# Altium PCB Main control board.PcbDoc (part 1 of 2) (continued)
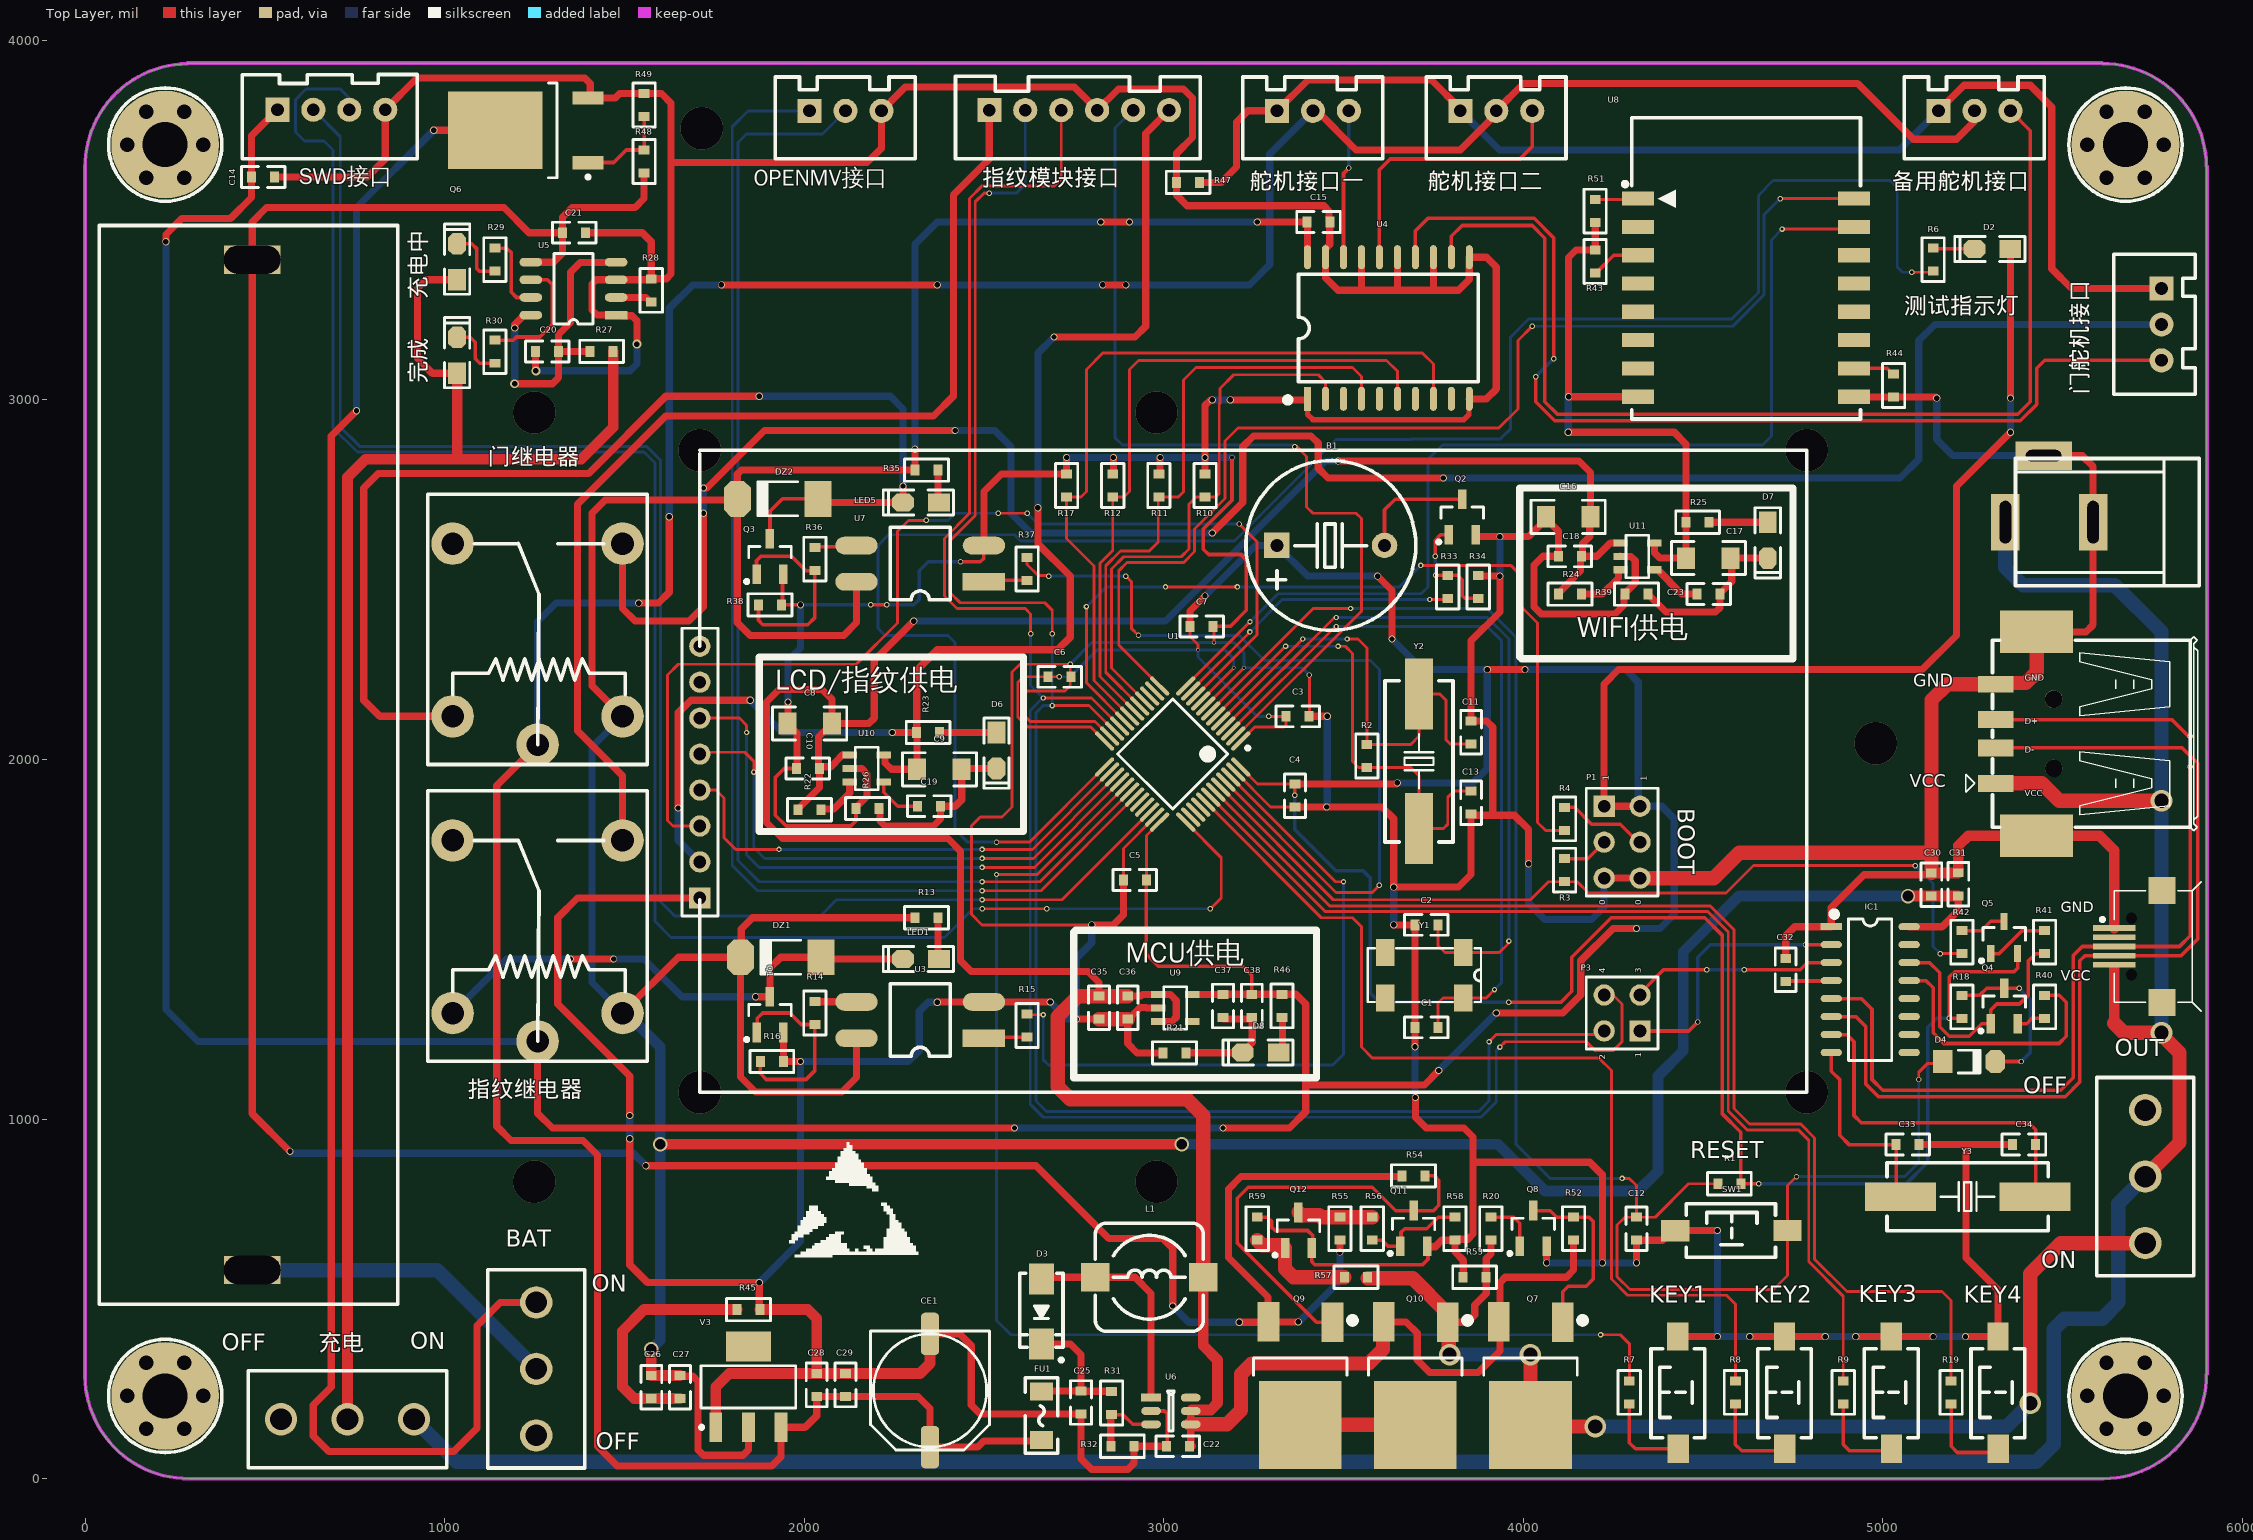
[diagram p0: Top Layer view]
## Components (designator, comment, footprint, x,y, rotation, side; value= is the part's Value field where it differs from the comment) (continued)
U11 "SPX3819-3.3V" SOT23-5 4270,2602.4 r270 top
USB-A1 "USB-A" USB-A/S_C 5475,2071.46 r90 top
V3 "AMS1117-5V" SOT223_L 1845,255 r90 top
Y1 "32.768K" MC-306 3725,1400 r180 top
Y2 "8MHz" "OSC HC-49SMD" 3710,1995 r90 top
Y3 "12MHz" "OSC HC-49SMD" 5236,784 r180 top
备用舵机接口 "HEADER 1X3" XH2.54-LI-3P 5255,3804 r0 top (schematic designator "H6   备用舵机接口")

## Footprints (in the part's own frame and the unit in brackets; to place one, negate y for a bottom-side part, rotate by r counter-clockwise, add the part's x,y. Pads: shape width x height; smd on the part's side, far side on the other; paste and mask are expansions set on the pad)
48P [mm]
  oval 1.8x0.3 smd: 1(-4.05,2.75) 2(-4.05,2.25) 3(-4.05,1.75) 4(-4.05,1.25) 5(-4.05,0.75) 6(-4.05,0.25) 7(-4.05,-0.25) 8(-4.05,-0.75) 9(-4.05,-1.25) 10(-4.05,-1.75) 11(-4.05,-2.25) 12(-4.05,-2.75) 25(4.05,-2.75) 26(4.05,-2.25) 27(4.05,-1.75) 28(4.05,-1.25) 29(4.05,-0.75) 30(4.05,-0.25) 31(4.05,0.25) 32(4.05,0.75) 33(4.05,1.25) 34(4.05,1.75) 35(4.05,2.25) 36(4.05,2.75)
  oval 0.3x1.8 smd: 13(-2.75,-4.05) 14(-2.25,-4.05) 15(-1.75,-4.05) 16(-1.25,-4.05) 17(-0.75,-4.05) 18(-0.25,-4.05) 19(0.25,-4.05) 20(0.75,-4.05) 21(1.25,-4.05) 22(1.75,-4.05) 23(2.25,-4.05) 24(2.75,-4.05) 37(2.75,4.05) 38(2.25,4.05) 39(1.75,4.05) 40(1.25,4.05) 41(0.75,4.05) 42(0.25,4.05) 43(-0.25,4.05) 44(-0.75,4.05) 45(-1.25,4.05) 46(-1.75,4.05) 47(-2.25,4.05) 48(-2.75,4.05)
  silkscreen extent -4.17,-2.75 2.75,3.57, body extent -3.5,-3.5 3.5,3.5, height 1.6
0603C [mil] "1.6mmx0.8mm（蒜米工坊）"
  rect 25x30 smd: 1(-32,0) 2(32,0)
  silkscreen extent -61,-29 60,29, body extent -32,-16 31,16, height 18
0603R [mil]
  rect 25x30 smd: 1(-32,0) 2(32,0)
  silkscreen extent -61,-31 61,31, body extent -32,-16 31,16, height 18
1206C [mil] "3.2mmx1.6mm（蒜米工坊）"
  rect 50x60 smd: 1(-62,0) 2(62,0)
  silkscreen extent -103,-46 103,46, body extent -64,-32 62,31, height 24
18650 [mm]
  rect 4x2 hole 2 slot 4 at 0 deg: 1(10.795,73.787) 2(10.795,2.413)
  rect 8x4 smd far side: 1(10.795,73.787) 2(10.795,2.413)
  silkscreen extent 0,0 21.08,76.2
B628 [mil]
  rect 55x22 smd: 1(0,0)
  oval 55x22 smd: 2(0,-37) 3(0,-74) 4(110,-74) 5(110,-37) 6(110,0)
  silkscreen extent 46,-92 64,18
"BEEP 7.6x12x7.5" [mm] "6.5*12*7.5mm(脚距,直径,高度)"
  rect 1.8x1.8 hole 0.9: 1(-0.011,-3.811)
  round 1.8 hole 0.9: 2(-0.011,3.789)
  silkscreen extent -6.01,-6 5.99,6, body extent -6.01,-5.93 5.99,6.07, height 7.55
CAP8 [mm] "直径8mm（蒜米工坊）"
  rrect50% 3x1.3 smd: 1(-4,0) 2(4,0)
  silkscreen extent -4.2,-4.2 4.2,4.2, body extent -4.52,-4.22 4.48,4.08, height 10.5
CDRH74 [mm] "7.3*7.3*4.5mm（长宽高）"
  rect 2x2 smd: 1(-3.81,0) 2(3.81,0)
  silkscreen extent -3.81,-3.81 3.81,3.81, body extent -3.65,-3.65 3.65,3.65, height 4.5
DC-005 [mm] "5.5*2.1mm，DC30V,2.5A"
  rect 2x4 hole 0.8 slot 3 at 90 deg: 1(-6.2,0) 2(0,0)
  rect 4x2 hole 0.8 slot 2.5 at 0 deg: 3(-3.5,4.7)
  silkscreen extent -5.48,-4.5 7.5,4.5, body extent -6.55,-4.5 7.5,4.8, height 11.2
ESP12 [mm] "ESP-12 Wi-Fi Mod"
  rect 2.25x1 smd: 1(0.375,0) 2(0.375,-2) 3(0.375,-4) 4(0.375,-6) 5(0.375,-8) 6(0.375,-10) 7(0.375,-12) 8(0.375,-14) 9(15.625,-14) 10(15.625,-12) 11(15.625,-10) 12(15.625,-8) 13(15.625,-6) 14(15.625,-4) 15(15.625,-2) 16(15.625,0)
  silkscreen extent -0.7,-15.57 16.08,5.7, body extent 0,-15.49 16,8.51, height 2.75
"FU 1206" [mil] "贴片保险丝"
  rect 50x65 smd: 1(-67.5,0) 2(67.5,0)
  silkscreen extent -105,-45 105,45, body extent -63,-32 63,32, height 34
HDR1X8 [mm] "Connector; Header; 8 Position"
  rect 1.5x1.5 hole 0.9: 1(0,0)
  round 1.5 hole 0.9: 2(2.54,0) 3(5.08,0) 4(7.62,0) 5(10.16,0) 6(12.7,0) 7(15.24,0) 8(17.78,0)
  silkscreen extent -1.27,-1.27 19.05,1.27
HDR2X2 [mm] "Connector; Header; 2x2 Position"
  rect 1.5x1.5 hole 0.9: 1(0,0)
  round 1.5 hole 0.9: 2(0,2.54) 3(2.54,0) 4(2.54,2.54)
  silkscreen extent -1.27,-1.27 3.81,3.81
HDR2X3 [mm] "Connector; Header; 3x2 Position"
  rect 1.5x1.5 hole 0.9: 1(0,0)
  round 1.5 hole 0.9: 2(0,2.54) 3(2.54,0) 4(2.54,2.54) 5(5.08,0) 6(5.08,2.54)
  silkscreen extent -1.27,-1.27 6.35,3.81
"LED 0805" [mil] "LED 贴片发光二极管 0805"
  rect 60x50 smd: 1(-50,0)
  oct 60x50 smd: 2(50,0)
  silkscreen extent -90,-35 105,35, body extent -39,-25 39,25, height 32
"LED 0805G" [mil] "绿色0805LED"
  rect 60x50 smd: 1(-50,0)
  oct 60x50 smd: 2(50,0)
  silkscreen extent -90,-35 105,35, body extent -39,-25 39,25, height 32
M3x4+6_N [mil] "M3铜柱，长：4mm，螺纹长：6mm"
  round 40 hole 40: 1(-106,0) 1(-53,-91.8) 1(-53,91.8) 1(53,-91.8) 1(53,91.8) 1(106,0)
  round 300 hole 125: 1(0,0)
  silkscreen extent -157,-157 157,157, body extent -106,-93 106,93, height 159
MC-306 [mm]
  rect 1.3x1.9 smd: 1(-2.75,-1.6) 2(2.75,-1.6) 3(2.75,1.6) 4(-2.75,1.6)
  silkscreen extent -4,-1.9 4,1.9
"MELF (LL41)" [mm] "2.4*5.3mm(直径，脚距）"
  rect 1.9x2.54 smd: 1(-2.85,0)
  oct 1.9x2.54 smd: 2(2.85,0)
  silkscreen extent -1.4,-1.2 1.4,1.2, body extent -2.65,-1.2 2.65,1.2, height 2.4
Micro_USB [mm]
  rect 0.4x3 smd: 1(1.3,1.679) 2(0.65,1.679) 3(0,1.679) 4(-0.65,1.679) 5(-1.3,1.679)
  round 0 hole 0.8 unplated: MH1(2,0.471) MH2(-2,0.471)
  rect 1.9x1.9 smd: ""(-3.95,-1.679) ""(3.95,-1.679)
  silkscreen extent -4.57,-4.46 4.57,2.64
"MINI_MELF (LL34)" [mm] "1.5*3.4mm(直径，脚距）"
  rect 1.37x1.62 smd: 1(-1.855,0)
  oct 1.37x1.62 smd: 2(1.855,0)
  silkscreen extent -0.76,-0.8 0.78,0.8, body extent -1.7,-0.75 1.7,0.75, height 1.5
"OSC HC-49SMD" [mm]
  rect 5x2 smd: 1(-4.75,0) 2(4.75,0)
  silkscreen extent -5.7,-2.4 5.7,2.4, body extent -6.5,-2.32 6.5,2.33, height 4.63
PC817C [mm] "贴片光耦"
  rect 3x1.25 smd: 1(0,0)
  oval 3x1.25 smd: 2(0,-2.56) 3(9,-2.56) 4(9,0)
  silkscreen extent 2.39,-3.84 6.61,1.28, body extent -0.65,-3.56 9.65,1.02, height 3.45
SMA [mm] "4.5x2.6*2.2mm（长宽高，不包括引脚）"
  rect 2.2x1.75 smd: 1(-2.3,0) 2(2.3,0)
  silkscreen extent -2.7,-1.52 3.56,1.52, body extent -2.53,-1.3 2.58,1.3, height 2.15
SOP16_L [mm] "10.3*6.2*1.8mm（长宽高）"
  rect 1.5x0.5 smd: 1(-2.752,4.445)
  oval 1.5x0.5 smd: 2(-2.752,3.175) 3(-2.752,1.905) 4(-2.752,0.635) 5(-2.752,-0.635) 6(-2.752,-1.905) 7(-2.752,-3.175) 8(-2.752,-4.445) 9(2.752,-4.445) 10(2.752,-3.175) 11(2.752,-1.905) 12(2.752,-0.635) 13(2.752,0.635) 14(2.752,1.905) 15(2.752,3.175) 16(2.752,4.445)
  silkscreen extent -2.69,-5 1.52,5.49, body extent -3,-5 3,5, height 1.9
SOP20_L [mm] "13*10.6*2.6（长宽高）"
  rect 1.7x0.5 smd: 1(-5,5.715)
  oval 1.7x0.5 smd: 2(-5,4.445) 3(-5,3.175) 4(-5,1.905) 5(-5,0.635) 6(-5,-0.635) 7(-5,-1.905) 8(-5,-3.175) 9(-5,-4.445) 10(-5,-5.715) 11(5,-5.715) 12(5,-4.445) 13(5,-3.175) 14(5,-1.905) 15(5,-0.635) 16(5,0.635) 17(5,1.905) 18(5,3.175) 19(5,4.445) 20(5,5.715)
  silkscreen extent -5.23,-6.35 3.81,7.27, body extent -5.15,-6.35 5.16,6.35, height 2.7
SOT23-3M [mm] "3x1.3x1mm(长宽高)"
  rect 0.6x1.4 smd: 1(-0.95,0) 2(0.95,0) 3(0,2.514)
  silkscreen extent -1.78,-0.63 1.5,1.97, body extent -1.5,0.07 1.5,2.47, height 1.05
SOT23-3N [mm] "3x1.3x1mm(长宽高)"
  rect 0.5x1.2 smd: 1(-0.95,-1.143) 2(0.95,-1.143) 3(0,1.143)
  silkscreen extent -1.72,-1.78 1.5,0.7, body extent -1.5,-1.2 1.5,1.2, height 1.05
SOT23-5 [mm]
  rect 0.5x1 smd: 1(0,0) 2(0.95,0) 3(1.9,0) 4(1.9,2.4) 5(0,2.4)
  silkscreen extent -0.55,0.4 2.45,2, body extent -0.5,-0.2 2.4,2.6, height 1.09
SOT223_L [mm] "SOT223, 4-Leads, Body 6.5x3.5mm, Pitch 2.3mm, Lead Span 7mm, IPC High Density"
  rect 2.1x0.9 smd: 1(-2.85,2.3) 2(-2.85,0) 3(-2.85,-2.3)
  rect 2.1x3.2 smd: 4(2.85,0)
  silkscreen extent -2.97,-3.35 1.5,3.42, body extent -1.85,-3.35 1.85,3.35, height 1.7
SRD-C_B [mm] "单刀双投"
  round 3 hole 1.6: 1(0,0) 2(0,-12) 3(-2,-6) 4(12.2,0) 5(12.2,-12)
  silkscreen extent -3.4,-13.75 15.7,1.75, body extent -3.4,-13.75 15.7,1.75, height 15.6
SS-12D10 [mil] "脚距3mm"
  round 90 hole 60: 1(-185.04,0) 2(0,0) 3(185.04,0)
  silkscreen extent -276,-135 276,135, body extent -276,-122 276,122, height 380
TC4056A [mil]
  rect 63x24 smd: 1(0,0)
  oval 63x24 smd: 2(0,-49) 3(0,-98) 4(0,-147) 5(237,-147) 6(237,-98) 7(237,-49) 8(237,0)
  silkscreen extent 64,-172 173,25
TO252 [mil] "252晶体管"
  rect 60x110 smd: 1(-89.55,-119.77) 3(88.45,-120.77)
  rect 230x245 smd: 2(0,165.35)
  silkscreen extent -153,-133 130,28, body extent -128,-120 128,251, height 91
TO-252AA [mm] "D-PAK, 4-Leads, Body 6.1x6.5mm, Pitch 2.28mm, Lead Span 9.8mm, IPC Low Density"
  rect 6.7x5.5 smd: 1(3.275,0)
  rect 2.2x0.95 smd: 2(-3.275,2.28) 3(-3.275,-2.28)
  silkscreen extent -3.4,-3.35 -0.47,3.43, body extent -3.77,-3.27 6.16,3.27, height 2.39
"TSW SMD-3*6*2.5" [mm] "3*6*2.5mm"
  rect 2x1.5 smd: 1(-3.996,-0.02) 2(3.937,0)
  silkscreen extent -3.21,-1.9 3.09,1.9, body extent -4,-1.88 4,1.62, height 2.59
USB-A/S_C [mm] "A型贴片母头，"
  rect 1.2x2.5 smd: 1(-3.5,4.1) 2(-1,4.1) 3(1,4.1) 4(3.5,4.1)
  rect 3x5.15 smd: 4(-7.2,1.2) 4(7.2,1.2)
  round 1.25 hole 1.25 unplated: 7(-2.45,0) 8(2.45,0)
  silkscreen extent -6.85,-10.17 6.86,6.19, body extent -7.75,-9.9 7.75,4.8, height 7.4
XH2.54-LI-3P [mm] "接插件，3P"
  rect 1.7x1.7 hole 0.9: 1(-2.54,0)
  round 1.7 hole 0.9: 2(0,0) 3(2.54,0)
  silkscreen extent -4.95,-3.38 4.93,2.39, body extent -5.04,-3.3 5.04,2.4, height 7.03
XH2.54-LI-4P [mm] "接插件，4P"
  rect 1.7x1.7 hole 0.9: 1(-3.81,0)
  round 1.7 hole 0.9: 2(-1.27,0) 3(1.27,0) 4(3.81,0)
  silkscreen extent -6.3,-3.45 6.07,2.49, body extent -6.31,-3.3 6.31,2.4, height 7.03
XH2.54-LI-6P [mm] "接插件，6P"
  rect 1.7x1.7 hole 0.9: 1(-6.35,0)
  round 1.7 hole 0.9: 2(-3.81,0) 3(-1.27,0) 4(1.27,0) 5(3.81,0) 6(6.35,0)
  silkscreen extent -8.74,-3.43 8.56,2.39, body extent -8.85,-3.3 8.85,2.4, height 7.03

## Part data
B1: library part BELL
C1 C2 C3 C4 C5 C6 C7 C11 C12 C13 C14 C15 C26 C27 C28 C29 C30 C31 C32 C33 C34 C35 C36 C37 C38: library part Cap, "Capacitor", LatestRevisionDate=17-Jul-2002, LatestRevisionNote="Re-released for DXP Platform.", Published=8-Jun-2000, Publisher="Altium Limited"
C8 C9 C16 C17: library part CAP-ELEC
C10 C18 C19 C23: library part CAP-0805
C20 C21 C22 C25: library part C, "贴片电容"
CE1: library part CE, "直插电解电容"
D3: library part SS14, "肖特基二极管"
D4: "高速开关二极管"
DZ1 DZ2: "5.1V/1W稳压管"
FU1: library part FU, "5mm 保险丝"
IC1: "串口转USB"
JK1 JK2: "5V一组转换"
L1: library part L, "功率电感"
LED1 LED5: library part LED-5MM, "直插5mm LED"
LED3 LED4: library part LED
OPENMV接口: "Header, 3-Pin", LatestRevisionDate=17-Jul-2002, LatestRevisionNote="Re-released for DXP Platform.", Publisher="Altium Limited"
P1: "Header, 3-Pin, Dual row", LatestRevisionDate=17-Jul-2002, LatestRevisionNote="Re-released for DXP Platform.", Publisher="Altium Limited"
P3: "Header, 2-Pin, Dual row", LatestRevisionDate=17-Jul-2002, LatestRevisionNote="Re-released for DXP Platform.", Publisher="Altium Limited"
P5: "Header, 8-Pin", LatestRevisionDate=17-Jul-2002, LatestRevisionNote="Re-released for DXP Platform.", Publisher="Altium Limited"
Q1 Q2 Q3 Q4 Q8 Q11 Q12: library part 8050-DIP, "高频放大-NPN型", 学习资源=https://shop46, 属性="40V 1.5A 1W"
Q5: library part 8550-SMD, "高频放大-PNP型", 属性="40V 1.5A 1W"
Q6: "N-Channel MOSFET"
Q7 Q9 Q10: "P沟道场效应管"
R1 R2 R3 R4 R6 R18 R20 R21 R33 R34 R40 R41 R42 R43 R44 R45 R47 R51 R52 R53 R54 R55 R56 R57 R58 R59: library part Res2, "Resistor", LatestRevisionDate=17-Jul-2002, LatestRevisionNote="Re-released for DXP Platform.", Published=8-Jun-2000, Publisher="Altium Limited"
R7 R8 R9 R10 R11 R12 R13 R14 R16 R17 R19 R35 R36 R38: library part R-S, "色环电阻"
R15 R27 R28 R29 R30 R31 R32 R37 R48 R49: library part R, "贴片电阻"
R22 R23 R24 R25 R46: library part RES
R26 R39: library part RES0805
SP1 SP2 SP3 SP4: library part 铜柱加头大焊盘, "铜柱"
SW1 SW3 SW4 SW5 SW6: "SWITCH"
SW2: library part SS12-F23
SW7 SW8: "拨动开关"
SWD接口: library part "Header 4", "Header, 4-Pin", LatestRevisionDate=17-Jul-2002, LatestRevisionNote="Re-released for DXP Platform.", Publisher="Altium Limited"
U2: library part usb-STM
U3 U7: library part PC817C, "贴片光耦"
U4: "三态输出的八路缓冲器和线路驱动器 TSSOP-20"
U5: "充电IC"
U6: "升压IC"
U9: "LDO"
U10 U11: library part SPX3819
V3: library part AMS1117, "三端稳压芯片"
Y1 Y2 Y3: library part XTAL, "Crystal Oscillator", LatestRevisionDate=17-Jul-2002, LatestRevisionNote="Re-released for DXP Platform.", Published=8-Jun-2000, Publisher="Altium Limited"

## Via types
v1: diameter 20, hole 15, Top Layer to Bottom Layer, 88 vias
v2: diameter 15, hole 10, Top Layer to Bottom Layer, 48 vias
v3: diameter 15, hole 8, Top Layer to Bottom Layer, 35 vias
v4: diameter 118.11, hole 118.11, Top Layer to Bottom Layer, 10 vias
v5: diameter 60, hole 40, Top Layer to Bottom Layer, 6 vias
v6: diameter 40, hole 30, Top Layer to Bottom Layer, 4 vias
v7: diameter 10, hole 8, Top Layer to Bottom Layer, 4 vias
v8: diameter 25, hole 15, Top Layer to Bottom Layer, 3 vias

## Nets (pads, with @x,y where several pads share a name; then routed paths per layer and width w, separated by ;. In a path a pad name is that pad's centre, name@x,y a point inside that pad or via, vN(x,y) a via of type N, cw(c..) or ccw(c..) an arc to the next point about the centre after c; other vN are vias at no path point)
5V_GND: C26.1 C27.1 R45.1 | length 670.8
  Top Layer w30: C27.1@1655,223 C26.1@1575,223 1527.57,223 1495,255.57 1495,410 1555,470 R45.1@1813,470
BAT_GND: BAT1.2 SW7.2 | length 903.9
  Bottom Layer w40: BAT1.2@465,580 980.04,580 SW7.2@1255,305.04
BAT_VCC: BAT1.1 C21.2 Q9.3 R48.1 R54.1 R55.1 U5.5 | length 8348.6
  Top Layer w20: v1(570,910) 465,1015 BAT1.1@465,3390 465,3495 505,3535 1165,3535 1235,3465 C21.2@1328,3465 ; U5.5@1240,3383 1303,3383 1328,3408 C21.2@1328,3465 ; R48.1@1555,3631 1555,3560 1530,3535 1355,3535 1328,3508 C21.2@1328,3465 ; v1(1560,870) 2645,870 2847.5,667.5 2997.5,667.5 3025,640 v1(3025,480) ; v1(3210,435) 3280.78,435 Q9.3@3290,444.22 ; v1(3374.23,435.77) Q9.3@3291.55,435.77 3295,439.22 Q9.3@3290,444.22 ; v1(3490,630) R55.1@3490,663 ; R54.1@3663,841.85 3663,839.35 3660.5,836.85 3658,836.85 3654.85,840 3215,840 3180,805 3180,615 3290,505 Q9.3@3290,444.22
  Bottom Layer w20: v1(570,910) 575,905 1525,905 v1(1560,870) ; v1(3025,480) 3070,435 v1(3210,435) ; v1(3374.23,435.77) 3375.77,435.77 3490,550 v1(3490,630)
BEEP/PA1: R33.2 U1.11 | length 821.9
  Top Layer w8: U1.11@3075.11,2190.38 v3(3239.73,2355) v3@3240,2355 ; v3(3740,2445) 3787,2445 R33.2@3790,2448
  Bottom Layer w8: v3(3239.73,2355) 3329.73,2445 v3(3740,2445)
BOOT0: R3.1 R42.1 U1.44 | length 2460.5
  Top Layer w8: U1.44@3158.63,1923.13 3471.76,1610 4020,1610 4070,1660 R3.1@4115,1660 4150,1660 4181.53,1628.47 4563.47,1628.47 4640,1705 v2(5090,1705) ; v2(5160,1460) R42.1@5220,1460
  Bottom Layer w8: v2(5090,1705) 5140,1655 5140,1480 v2(5160,1460)
BOOT1: R4.2 U1.20 | length 2420
  Top Layer w8: v3(2785,2425) 2785,2213.24 U1.20@2891.37,2106.87 ; v3(3005,2480) v3(3205,2480) ; v3(3715,2540) 3965,2540 3990,2515 3990,2430 4040,2380 4040,1825 4062,1803 R4.2@4115,1803
  Bottom Layer w8: v3(2785,2425) 2840,2480 v3(3005,2480) ; v3(3205,2480) 3655,2480 v3(3715,2540)
"CH340 D+": IC1.5 U2.3 USB-A1.3 | length 2710.9
  Top Layer w10: IC1.5@4856.65,1335 4940,1335 4970,1305 4970,1110 5000,1080 5495,1080 5530,1115 5530,1455 5555,1480 U2.3@5643.9,1480 5825,1480 5855,1510 v2(5855,1980) ; USB-A1.3@5313.58,2110.83 5804.17,2110.83 5850,2065 v2(5855,2065)
  Bottom Layer w10: v2(5855,1980) v2(5855,2065)
"CH340 D-": IC1.6 U2.4 USB-A1.2 | length 2652.5
  Top Layer w10: IC1.6@4856.65,1285 4925,1285 4952,1258 4952,1098 4988,1062 5507,1062 5548,1103 5548,1440 5562.41,1454.41 U2.4@5643.9,1454.41 5829.41,1454.41 5875.5,1500.5 5875.5,1989.5 5832.91,2032.09 USB-A1.2@5313.58,2032.09
FINGERPOWER: H2.1 JK1.5 | length 2993.5
  Top Layer w20: JK1.5@1495,1775 1495,1955 1370,2080 1370,2710 1615,2955 2360,2955 2415,3010 2415,3570 2515,3670 H2.1@2515,3806
GND: C1.1 C2.1 C3.1 C4.1 C5.1 C6.1 C7.1 C8.2 C10.1 C11.1 C12.1 C13.1 C14.1 C15.1 C16.2 C18.1 C20.2 C21.1 C22.1 C25.1 C28.1 C29.1 C30.2 C31.2 C32.1 C33.1 C34.1 C35.1 C36.1 CE1.2 D5.2 D5.3 H2.4 IC1.1 OPENMV接口.3 P1.5 P1.6 P5.1 Q1.2 Q2.2 Q3.2 Q6.3 Q8.2 Q11.2 Q12.2 R10.2 R11.2 R12.2 R16.2 R17.2 R21.1 R26.1 R28.1 R32.1 R34.1 R38.2 R39.1 R44.2 R45.2 R47.1 R49.2 R53.1 R58.1 R59.2 SW1.1 SW3.2 SW4.2 SW5.2 SW6.2 SWD接口.4 U1.8 U1.23 U1.35 U1.47 U2.1 U2.2 U3.2 U4.1 U4.10 U4.11 U4.13 U4.15 U4.17 U4.19 U5.1 U5.3 U6.2 U7.2 U8.9 U9.2 U10.2 U11.2 USB-A1.4 V3.1 | length 35338.8
  Top Layer w8: v1(2800,1540) 2495,1540 2465,1570 2465,1815 2490,1840 2550,1840 2578,1868 2578,2243 2600,2265 v2(2740,2265) 2740,2205 2725.5,2190.5 2620.5,2190.5 2610,2180 2610,2125 2629,2106 2808.73,2106 U1.23@2849.62,2065.11 ; C5.1@2888,1665 2888,1752.73 U1.35@2974.89,1839.62 ; U1.8@3116.87,2148.63 v7(3223.24,2255) ; C7.1@3137,2370 3140,2367 v7(3140,2325) ; U1.47@3200.38,1964.89 3297.27,1868 C4.1@3365,1868 ; C3.1@3404,2120 3405,2121 v2(3405,2235)
  Top Layer w10: Q3.2@1942.4,2515 1939.7,2512.3 1939.7,2432.7 R38.2@1937,2430 v1(1990,2430) ; C10.1@1978.5,1975 1945,1975 1920,1950 1920,1845 1950,1815 2130,1815 2144.24,1829.24 R26.1@2144.24,1863.6 ; v2(2185,2430) 2185.08,2430.08 v2(2229.92,2430.08) ; v2(2435,2550) 2490,2550 2500,2560 U7.2@2500,2595 ; U6.2@2965,188 3002,188 3010,180 3010,92 C22.1@3008,90 ; C7.1@3137,2370 3185,2370 3230,2415 3230,2555 3215,2570 3125,2570 3110,2585 3110,2640.96 3190,2720.96 v2(3190,2840) ; R59.2@3260,727 3288,727 3300,715 3300,700 3310,690 3400,690 3415,675 3415,644.08 Q12.2@3412.24,641.32 3412.24,602.76 3420,595 3720,595 3735,610 3735,635.64 3744.36,645
  Top Layer w15: U4.1@3400,3003.15 3400,2995.16 3400,2960 3415,2945 3835,2945 3849.11,2959.11 U4.10@3849.11,3002.25
  Top Layer w20: C14.1@527,3620 785,3620 835,3670 SWD接口.4@835,3807 923,3895 1390,3895 1405,3880 1405,3848.46 1410,3848.46 Q6.3@1401.3,3839.76 ; C20.2@1253,3135 1253,3082 v8(1254,3081) ; C21.1@1392,3465 1550,3465 1575,3440 R28.1@1575,3337 ; Q6.3@1398.94,3839.76 Q6.3@1401.3,3839.76 ; v1(1515,945) 1515,595 1565,545 v1(1875,545) 1875,472 R45.2@1877,470 ; v1(1515,1010) 1515,1120 1315,1320 1315,1560 1370,1615 P5.1@1710,1615 ; v8(1535,3155) 1535,3220 1521,3234 1498.5,3234 1496.5,3236 U5.1@1477,3236 1424,3236 1410,3250 1410,3322.28 1421.72,3334 U5.3@1477,3334 1569.5,3334 1572.5,3337 R28.1@1575,3337 ; Q1.2@1942.4,1241.03 1942.2,1240.83 1942.2,1160.2 R16.2@1942,1160 v1(1990,1160) ; v1(1955,2160) 1955,2101.5 C8.2@1953.5,2100 1980,2073.5 1980,1979 1978.5,1977.5 C10.1@1978.5,1975 ; U10.2@2126.75,1975 2126.91,1974.84 2160.16,1974.84 2175,1960 2175,1896.86 2144.24,1866.1 R26.1@2144.24,1863.6 ; CE1.2@2350,402.48 2432.52,402.48 2465,370 2465,205 2490,180 C25.1@2770,180 2770,55 2800,25 2900,25 2917,42 R32.1@2917,90 C22.1@3008,90 ; v1(2370,1325) 2370.79,1325.79 U3.2@2500,1325.79 2684.21,1325.79 v1(2684.61,1325.39) v1@2685,1325 ; U7.2@2500,2595 2500,2745 2549,2794 R17.2@2730,2794 v1(2730,2840) ; v1(2757,1278) C35.1@2820,1278 ; v1(2800,1540) 2860,1540 2888,1568 C5.1@2888,1665 ; R12.2@2858.33,2794 2860,2795.67 v1(2860,2840) ; U6.2@2965,188 U6.2@2965.38,187.62 ; U9.2@2985,1309 2984.84,1309.16 2951.91,1309.16 2951.07,1310 2934.5,1310 2902.5,1278 C36.1@2900,1278 2900,1210 2926,1184 R21.1@2998,1184 ; R11.2@2986.67,2794 2987.5,2794 2990,2796.5 v1(2990,2840) ; R10.2@3115,2794 v1(3115,2840) 3115,2985 3130,3000 v1(3135,3000) ; v1(3185,3000) 3395.16,3000 U4.1@3400,2995.16 ; C4.1@3365,1868 v1(3453,1868) 3607,1868 3640,1835 v1(3640,1645) 3820,1645 3855,1680 C13.1@3855,1845 ; C3.1@3404,2120 v1(3455,2120) ; U4.17@3550,3396.85 3550,3305 ; v1(3640,1540) C2.1@3699,1540 C1.1@3699,1255 v1(3699,1201) ; U4.15@3650,3396.85 3650,3305 ; v1(3700,1060) 3700,1005 3730,975 3835,975 3860,950 3860,880 ; 3744.36,645 3755,645 3773,663 R58.1@3810,663 ; U4.13@3750,3396.85 3750,3305 ; R53.1@3833,560 3833,607 3810,630 R58.1@3810,663 ; U4.10@3849.11,3002.25 3897.25,3002.25 3925,3030 3925,3370 3898.15,3396.85 U4.11@3850,3396.85 3850,3335 3820,3305 3750,3305 ; C13.1@3855,1848 C13.1@3855,1845 ; Q2.2@3867.4,2625 3872.4,2620 v1(3935,2620) 4015,2620 4063,2668 C16.2@4063,2670 ; R34.1@3875,2512 3877,2510 v1(3935,2510) 3935,2410 3855,2330 C11.1@3855,2107 3898,2107 3915,2090 3915,1845 ; v1(4015,1710) 4015,1805 3975,1845 3915,1845 ; C16.2@4063,2675 C16.2@4063,2670 ; v1(4065,600) Q8.2@4065,646.32 ; v1(4220,600) 4220,845 4185,880 3860,880 ; P1.5@4225,1670 P1.6@4325,1670 ; U11.2@4270,2565 4270.16,2564.84 4299.84,2564.84 4311.56,2553.13 4311.56,2491.06 4283,2462.5 R39.1@4283,2460 4280.5,2457.5 4280.5,2430.5 4255,2405 4050,2405 4030,2425 4030,2540 4055,2565 C18.1@4098,2565 4098,2635 C16.2@4063,2670 ; v1(4315,600) C12.1@4315,663 4386.63,663 4412.84,689.21 SW1.1@4422.69,689.21 4423.47,690 v1(4540,690) ; SW3.2@4430,395 v1(4540,395) ; v1(4630,395) SW4.2@4726.67,395 v1(4840,395) ; C32.1@4730,1447 4730,1510 4755,1535 IC1.1@4856.65,1535 4856.65,1588.51 4947.64,1679.5 5130.5,1679.5 C30.2@5135,1684 C30.2@5135.5,1684.5 ; U8.9@4920,3008.82 4920.41,3008.41 5029.59,3008.41 R44.2@5030,3008 5147,3008 v1(5150,3005) ; v1(4925,395) SW5.2@5023.33,395 v1(5140,395) ; C33.1@5101,929 5231,929 ; 5135,1740.5 5135.5,1740 ; C31.2@5209.5,1684.5 C31.2@5210,1685 ; v1(5230,395) SW6.2@5320,395 5320,525 5231,614 5231,929 ; C34.1@5361,929 5231,929 ; USB-A1.4@5427.76,2354.92 5564.92,2354.92 5585,2375 D5.2@5585,2660 5585,2815 5554.96,2845.04 D5.3@5447.2,2845.04 ; Q6.3@1401.3,3839.76 1474.76,3839.76 1487,3852 R49.2@1555,3852 1603,3852 1630,3825 1630,3660 ; R28.1@1575,3337 1617,3337 1630,3350 1630,3660 ; 1630,3660 2175,3660 2215,3700 OPENMV接口.3@2215,3804 2281,3870 2751,3870 H2.4@2815,3806 2874,3865 3055,3865 3080,3840 3080,3730 3036,3686 R47.1@3036,3605 3036,3569 3065,3540 3445,3540 3459.5,3525.5 3459.5,3497.5 C15.1@3462,3495 3462,3432.16 3450,3420.16 U4.19@3450,3396.85 3450,3340 3485,3305 3550,3305 ; 3550,3305 3650,3305 ; 3650,3305 3750,3305 ; R58.1@3810,663 3812.5,665.5 3845.5,665.5 3860,680 3860,880 ; C13.1@3855,1845 3915,1845
  Top Layer w30: V3.1@1754.45,142.8 1754.45,254.45 1792,292 C28.1@2035,292 ; R45.2@1877,470 2010,470 2035,445 C28.1@2035,292 ; CE1.2@2350,402.48 2350,320 2322,292 C29.1@2115,292 C28.1@2035,292 ; C30.2@5135.5,1684.5 C31.2@5209.5,1684.5 ; C31.2@5210,1685 5210,1760 5237.99,1787.99 USB-A1.4@5427.76,1787.99 5602.99,1787.99 5643.9,1747.09 U2.1@5643.9,1531.18
  Top Layer w40: C35.1@2820,1278 C36.1@2900,1278 ; P1.6@4325,1670 4530,1670 4600.5,1740.5 5135,1740.5 ; C30.2@5135.5,1684.5 5135.5,1740 5135.5,2165.5 5179.25,2209.25 USB-A1.4@5313.58,2209.25 5317.2,2212.87 5397.87,2212.87 5427.76,2242.76 USB-A1.4@5427.76,2354.92
  Bottom Layer w8: v2(2740,2265) 2800,2325 v7(3140,2325) 3195,2325 3223.24,2296.76 v7(3223.24,2255) 3385,2255 v2(3405,2235)
  Bottom Layer w10: v1(1990,2430) v2(2185,2430) ; v2(2229.92,2430.08) 2305.08,2430.08 2320,2445 2320,2525 2345,2550 v2(2435,2550)
  Bottom Layer w20: v8(1254,3081) 1516,3081 1535,3100 v8(1535,3155) ; v1(1515,945) v1(1515,1010) ; v1(1875,545) 1990,660 v1(1990,1160) 2290,1160 2320,1190 2320,1300 2345,1325 v1(2370,1325) ; v1(1955,2160) 1955,2275 1990,2310 v1(1990,2430) ; v1(2684.61,1325.39) 2732,1278 v1(2757,1278) 2757,1447 2800,1490 v1(2800,1540) ; v1(2730,2840) v1(2860,2840) v1(2990,2840) v1(3115,2840) v2(3190,2840) ; v1(3135,3000) v1(3185,3000) ; v1(3453,1868) 3455,1870 v1(3455,2120) ; v1(3640,1540) v1(3640,1645) ; v1(3699,1201) 3699,1061 v1(3700,1060) ; v1(3935,2510) v1(3935,2620) ; v1(4015,1710) 4015,1600 4060,1555 4190,1555 4225,1590 P1.5@4225,1670 ; v1(4065,600) v1(4220,600) v1(4315,600) ; v1(4540,690) v1(4540,395) v1(4630,395) ; v1(4840,395) v1(4925,395) ; v1(5140,395) v1(5230,395) ; v1(5150,3005) 5150,2890 5194.96,2845.04 D5.3@5447.2,2845.04
GNDLCD: C9.2 C19.1 D6.2 R26.2 | length 502
  Top Layer w20: R26.2@2208.24,1863.6 2210.74,1861.1 2210.74,1829.26 2225,1815 2360,1815 2379.5,1834.5 C19.1@2379.5,1870 2420,1870 2438.24,1888.24 C9.2@2438.24,1972.6 2440.64,1975 D6.2@2535,1975
GNDWIFI: C17.2 C23.1 D7.2 R39.2 | length 483.1
  Top Layer w20: R39.2@4347,2460 4347,2457.5 4349.5,2455 4352,2455 4397,2410 4535,2410 4547,2422 C23.1@4547,2460 4547,2462 4580,2495 4580,2557 C17.2@4577,2560 D7.2@4680,2560
IN+: LED3.1 LED4.1 R27.2 SW8.2 | length 4308.5
  Top Layer w20: LED4.1@1035,3074 966,3074 925,3115 925,3310 949,3334 LED3.1@1035,3334
  Top Layer w30: SW8.2@730,165 730,2785 780,2835 1035,2835 ; LED4.1@1035,3074 1035,2835 ; R27.2@1469,3135 1469,2924 1380,2835 1035,2835
KEY1/PA8: R7.1 U1.29 | length 3587
  Top Layer w8: v3(2535,1680) 2648.24,1680 U1.29@2891.37,1923.13 ; v3(4215,400) 4270,400 4295,375 R7.1@4295,272
  Bottom Layer w8: v3(2535,1680) 2535,440 2575,400 v3(4215,400)
KEY2/PB5: R8.1 U1.41 | length 2800.5
  Top Layer w8: U1.41@3116.87,1881.37 3438.24,1560 3525,1560 3550,1535 3550,1200 3580,1170 4210,1170 4245,1135 4245,555 4290,510 4565,510 4590,485 R8.1@4590,272
KEY3/PB6: R9.1 U1.42 | length 3058.8
  Top Layer w8: U1.42@3130.79,1895.29 3449.08,1577 4513,1577 4570,1520 4570,1022.37 4622.37,970 4765,970 4794,941 4794,603.37 4890,507.37 R9.1@4890,272
KEY4/PB7: R19.1 U1.43 | length 3343.4
  Top Layer w8: U1.43@3144.71,1909.21 3460.92,1593 4519.63,1593 4586,1526.63 4586,1029 4629,986 4771.63,986 4810,947.63 4810,610 4900,520 5165,520 5190,495 R19.1@5190,272
LED/PB12: R6.2 U1.25 | length 5411
  Top Layer w8: v2(2535,1770) 2626.89,1770 U1.25@2835.7,1978.81 ; v2(5080,3355) 5137,3355 R6.2@5140,3358
  Bottom Layer w8: v2(2535,1770) 2455,1770 2420,1805 2420,2325 2400,2345 2225,2345 2205,2365 2205,2595 2235,2625 2585,2625 2602,2608 3196.89,2608 3478.89,2890 3687,2890 3688,2891 3936,2891 3965,2920 3965,3175 4015,3225 4580,3225 4654,3299 4654,3569 4695,3610 5020,3610 5040,3590 5040,3370 5055,3355 v2(5080,3355)
NetB1_2: B1.2 Q2.3 | length 326.9
  Top Layer w10: B1.2@3614.18,2595.43 3614.18,2694.18 3643.97,2723.97 Q2.3@3830,2723.97